# KiCad board 192_key.kicad_pcb (continued)
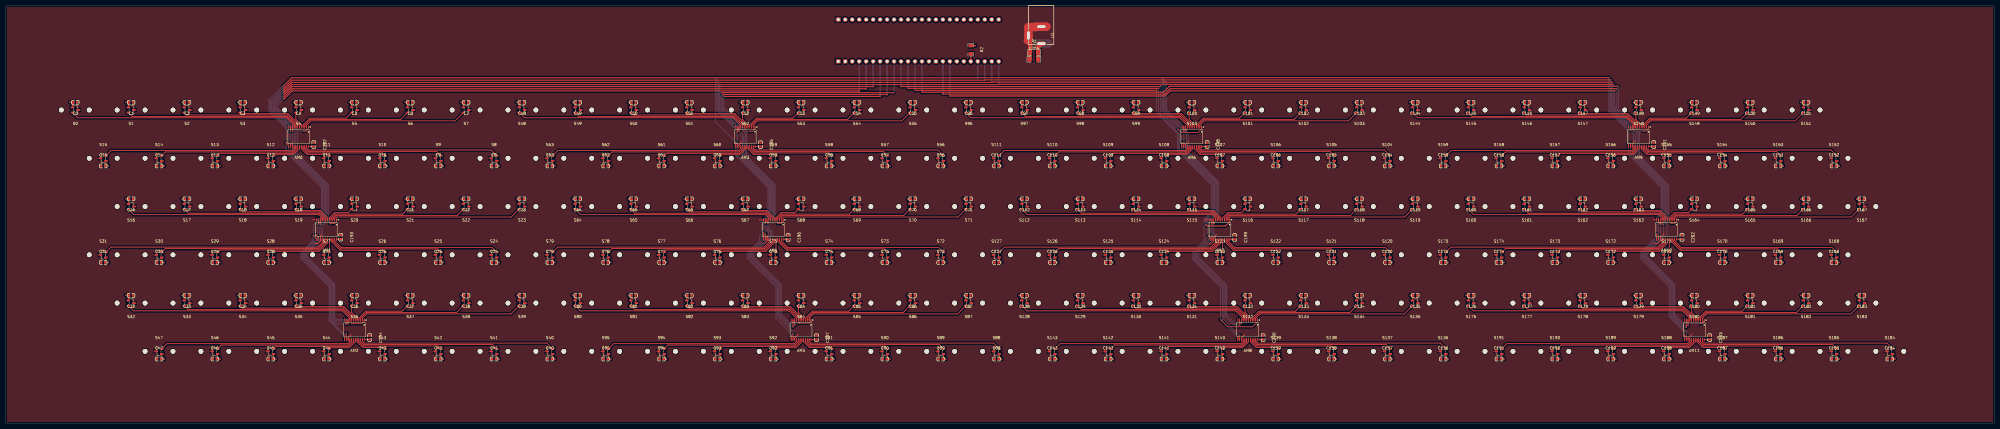
[diagram p0: board, top side]
## Placement (name value [footprint] x y rotation side) (continued)
S103  GH39FKSW  [SOT-23-3_L2.9-W1.3-P1.90-LS2.4-BR]  492.76 114.3 180 top
S104  GH39FKSW  [SOT-23-3_L2.9-W1.3-P1.90-LS2.4-BR]  502.92 96.7 0 top
S105  GH39FKSW  [SOT-23-3_L2.9-W1.3-P1.90-LS2.4-BR]  482.6 96.7 0 top
S106  GH39FKSW  [SOT-23-3_L2.9-W1.3-P1.90-LS2.4-BR]  462.28 96.7 0 top
S107  GH39FKSW  [SOT-23-3_L2.9-W1.3-P1.90-LS2.4-BR]  441.96 96.7 0 top
S108  GH39FKSW  [SOT-23-3_L2.9-W1.3-P1.90-LS2.4-BR]  421.64 96.7 0 top
S109  GH39FKSW  [SOT-23-3_L2.9-W1.3-P1.90-LS2.4-BR]  401.32 96.7 0 top
S110  GH39FKSW  [SOT-23-3_L2.9-W1.3-P1.90-LS2.4-BR]  381 96.7 0 top
S111  GH39FKSW  [SOT-23-3_L2.9-W1.3-P1.90-LS2.4-BR]  360.68 96.7 0 top
S112  GH39FKSW  [SOT-23-3_L2.9-W1.3-P1.90-LS2.4-BR]  370.84 79.1 180 top
S113  GH39FKSW  [SOT-23-3_L2.9-W1.3-P1.90-LS2.4-BR]  391.16 79.1 180 top
S114  GH39FKSW  [SOT-23-3_L2.9-W1.3-P1.90-LS2.4-BR]  411.48 79.1 180 top
S115  GH39FKSW  [SOT-23-3_L2.9-W1.3-P1.90-LS2.4-BR]  431.8 79.1 180 top
S116  GH39FKSW  [SOT-23-3_L2.9-W1.3-P1.90-LS2.4-BR]  452.12 79.1 180 top
S117  GH39FKSW  [SOT-23-3_L2.9-W1.3-P1.90-LS2.4-BR]  472.44 79.1 180 top
S118  GH39FKSW  [SOT-23-3_L2.9-W1.3-P1.90-LS2.4-BR]  492.76 79.1 180 top
S119  GH39FKSW  [SOT-23-3_L2.9-W1.3-P1.90-LS2.4-BR]  513.08 79.1 180 top
S120  GH39FKSW  [SOT-23-3_L2.9-W1.3-P1.90-LS2.4-BR]  502.92 61.51 0 top
S121  GH39FKSW  [SOT-23-3_L2.9-W1.3-P1.90-LS2.4-BR]  482.6 61.51 0 top
S122  GH39FKSW  [SOT-23-3_L2.9-W1.3-P1.90-LS2.4-BR]  462.28 61.51 0 top
S123  GH39FKSW  [SOT-23-3_L2.9-W1.3-P1.90-LS2.4-BR]  441.96 61.51 0 top
S124  GH39FKSW  [SOT-23-3_L2.9-W1.3-P1.90-LS2.4-BR]  421.64 61.51 0 top
S125  GH39FKSW  [SOT-23-3_L2.9-W1.3-P1.90-LS2.4-BR]  401.32 61.51 0 top
S126  GH39FKSW  [SOT-23-3_L2.9-W1.3-P1.90-LS2.4-BR]  381 61.51 0 top
S127  GH39FKSW  [SOT-23-3_L2.9-W1.3-P1.90-LS2.4-BR]  360.68 61.51 0 top
S128  GH39FKSW  [SOT-23-3_L2.9-W1.3-P1.90-LS2.4-BR]  370.84 43.91 180 top
S129  GH39FKSW  [SOT-23-3_L2.9-W1.3-P1.90-LS2.4-BR]  391.16 43.91 180 top
S130  GH39FKSW  [SOT-23-3_L2.9-W1.3-P1.90-LS2.4-BR]  411.48 43.91 180 top
S131  GH39FKSW  [SOT-23-3_L2.9-W1.3-P1.90-LS2.4-BR]  431.8 43.91 180 top
S132  GH39FKSW  [SOT-23-3_L2.9-W1.3-P1.90-LS2.4-BR]  452.12 43.91 180 top
S133  GH39FKSW  [SOT-23-3_L2.9-W1.3-P1.90-LS2.4-BR]  472.44 43.91 180 top
S134  GH39FKSW  [SOT-23-3_L2.9-W1.3-P1.90-LS2.4-BR]  492.76 43.91 180 top
S135  GH39FKSW  [SOT-23-3_L2.9-W1.3-P1.90-LS2.4-BR]  513.08 43.91 180 top
S136  GH39FKSW  [SOT-23-3_L2.9-W1.3-P1.90-LS2.4-BR]  523.24 26.31 0 top
S137  GH39FKSW  [SOT-23-3_L2.9-W1.3-P1.90-LS2.4-BR]  502.92 26.31 0 top
S138  GH39FKSW  [SOT-23-3_L2.9-W1.3-P1.90-LS2.4-BR]  482.6 26.31 0 top
S139  GH39FKSW  [SOT-23-3_L2.9-W1.3-P1.90-LS2.4-BR]  462.28 26.31 0 top
S140  GH39FKSW  [SOT-23-3_L2.9-W1.3-P1.90-LS2.4-BR]  441.96 26.31 0 top
S141  GH39FKSW  [SOT-23-3_L2.9-W1.3-P1.90-LS2.4-BR]  421.64 26.31 0 top
S142  GH39FKSW  [SOT-23-3_L2.9-W1.3-P1.90-LS2.4-BR]  401.32 26.31 0 top
S143  GH39FKSW  [SOT-23-3_L2.9-W1.3-P1.90-LS2.4-BR]  381 26.31 0 top
S144  GH39FKSW  [SOT-23-3_L2.9-W1.3-P1.90-LS2.4-BR]  513.08 114.3 180 top
S145  GH39FKSW  [SOT-23-3_L2.9-W1.3-P1.90-LS2.4-BR]  533.4 114.3 180 top
S146  GH39FKSW  [SOT-23-3_L2.9-W1.3-P1.90-LS2.4-BR]  553.72 114.3 180 top
S147  GH39FKSW  [SOT-23-3_L2.9-W1.3-P1.90-LS2.4-BR]  574.04 114.3 180 top
S148  GH39FKSW  [SOT-23-3_L2.9-W1.3-P1.90-LS2.4-BR]  594.36 114.3 180 top
S149  GH39FKSW  [SOT-23-3_L2.9-W1.3-P1.90-LS2.4-BR]  614.68 114.3 180 top
S150  GH39FKSW  [SOT-23-3_L2.9-W1.3-P1.90-LS2.4-BR]  635 114.3 180 top
S151  GH39FKSW  [SOT-23-3_L2.9-W1.3-P1.90-LS2.4-BR]  655.32 114.3 180 top
S152  GH39FKSW  [SOT-23-3_L2.9-W1.3-P1.90-LS2.4-BR]  665.48 96.7 0 top
S153  GH39FKSW  [SOT-23-3_L2.9-W1.3-P1.90-LS2.4-BR]  645.16 96.7 0 top
S154  GH39FKSW  [SOT-23-3_L2.9-W1.3-P1.90-LS2.4-BR]  624.84 96.7 0 top
S155  GH39FKSW  [SOT-23-3_L2.9-W1.3-P1.90-LS2.4-BR]  604.52 96.7 0 top
S156  GH39FKSW  [SOT-23-3_L2.9-W1.3-P1.90-LS2.4-BR]  584.2 96.7 0 top
S157  GH39FKSW  [SOT-23-3_L2.9-W1.3-P1.90-LS2.4-BR]  563.88 96.7 0 top
S158  GH39FKSW  [SOT-23-3_L2.9-W1.3-P1.90-LS2.4-BR]  543.56 96.7 0 top
S159  GH39FKSW  [SOT-23-3_L2.9-W1.3-P1.90-LS2.4-BR]  523.24 96.7 0 top
S160  GH39FKSW  [SOT-23-3_L2.9-W1.3-P1.90-LS2.4-BR]  533.4 79.1 180 top
S161  GH39FKSW  [SOT-23-3_L2.9-W1.3-P1.90-LS2.4-BR]  553.72 79.1 180 top
S162  GH39FKSW  [SOT-23-3_L2.9-W1.3-P1.90-LS2.4-BR]  574.04 79.1 180 top
S163  GH39FKSW  [SOT-23-3_L2.9-W1.3-P1.90-LS2.4-BR]  594.36 79.1 180 top
S164  GH39FKSW  [SOT-23-3_L2.9-W1.3-P1.90-LS2.4-BR]  614.68 79.1 180 top
S165  GH39FKSW  [SOT-23-3_L2.9-W1.3-P1.90-LS2.4-BR]  635 79.1 180 top
S166  GH39FKSW  [SOT-23-3_L2.9-W1.3-P1.90-LS2.4-BR]  655.32 79.1 180 top
S167  GH39FKSW  [SOT-23-3_L2.9-W1.3-P1.90-LS2.4-BR]  675.64 79.1 180 top
S168  GH39FKSW  [SOT-23-3_L2.9-W1.3-P1.90-LS2.4-BR]  665.48 61.51 0 top
S169  GH39FKSW  [SOT-23-3_L2.9-W1.3-P1.90-LS2.4-BR]  645.16 61.51 0 top
S170  GH39FKSW  [SOT-23-3_L2.9-W1.3-P1.90-LS2.4-BR]  624.84 61.51 0 top
S171  GH39FKSW  [SOT-23-3_L2.9-W1.3-P1.90-LS2.4-BR]  604.52 61.51 0 top
S172  GH39FKSW  [SOT-23-3_L2.9-W1.3-P1.90-LS2.4-BR]  584.2 61.51 0 top
S173  GH39FKSW  [SOT-23-3_L2.9-W1.3-P1.90-LS2.4-BR]  563.88 61.51 0 top
S174  GH39FKSW  [SOT-23-3_L2.9-W1.3-P1.90-LS2.4-BR]  543.56 61.51 0 top
S175  GH39FKSW  [SOT-23-3_L2.9-W1.3-P1.90-LS2.4-BR]  523.24 61.51 0 top
S176  GH39FKSW  [SOT-23-3_L2.9-W1.3-P1.90-LS2.4-BR]  533.4 43.91 180 top
S177  GH39FKSW  [SOT-23-3_L2.9-W1.3-P1.90-LS2.4-BR]  553.72 43.91 180 top
S178  GH39FKSW  [SOT-23-3_L2.9-W1.3-P1.90-LS2.4-BR]  574.04 43.91 180 top
S179  GH39FKSW  [SOT-23-3_L2.9-W1.3-P1.90-LS2.4-BR]  594.36 43.91 180 top
S180  GH39FKSW  [SOT-23-3_L2.9-W1.3-P1.90-LS2.4-BR]  614.68 43.91 180 top
S181  GH39FKSW  [SOT-23-3_L2.9-W1.3-P1.90-LS2.4-BR]  635 43.91 180 top
S182  GH39FKSW  [SOT-23-3_L2.9-W1.3-P1.90-LS2.4-BR]  655.32 43.91 180 top
S183  GH39FKSW  [SOT-23-3_L2.9-W1.3-P1.90-LS2.4-BR]  675.64 43.91 180 top
S184  GH39FKSW  [SOT-23-3_L2.9-W1.3-P1.90-LS2.4-BR]  685.8 26.31 0 top
S185  GH39FKSW  [SOT-23-3_L2.9-W1.3-P1.90-LS2.4-BR]  665.48 26.31 0 top
S186  GH39FKSW  [SOT-23-3_L2.9-W1.3-P1.90-LS2.4-BR]  645.16 26.31 0 top
S187  GH39FKSW  [SOT-23-3_L2.9-W1.3-P1.90-LS2.4-BR]  624.84 26.31 0 top
S188  GH39FKSW  [SOT-23-3_L2.9-W1.3-P1.90-LS2.4-BR]  604.52 26.31 0 top
S189  GH39FKSW  [SOT-23-3_L2.9-W1.3-P1.90-LS2.4-BR]  584.2 26.31 0 top
S190  GH39FKSW  [SOT-23-3_L2.9-W1.3-P1.90-LS2.4-BR]  563.88 26.31 0 top
S191  GH39FKSW  [SOT-23-3_L2.9-W1.3-P1.90-LS2.4-BR]  543.56 26.31 0 top
U1  XDJK-0051-025  [DC-IN-TH_XDJK-0051-025]  374.66 141.57 270 top

## Library data of the parts
AM0-AM11 = -: Datasheet: https://lcsc.com/product-detail/Analog-Switches_TI_CD74HC4067SM96_CD74HC4067SM96_C98457.html; LCSC Part: C98457
C0-C203 = -: Datasheet: https://lcsc.com/product-detail/Multilayer-Ceramic-Capacitors-MLCC-SMD-SMT_SAMSUNG_CL10B104KA8NNNC_100nF-104-10-25V_C1590.html; LCSC Part: C1590
C204 = -: Datasheet: https://lcsc.com/product-detail/Multilayer-Ceramic-Capacitors-MLCC-SMD-SMT_SAMSUNG_CL31A226KOHNNNE_22uF-226-10-16V_C90146.html; LCSC Part: C90146
J1 J2 = -: LCSC Part: C2883741
R1 R2 = -: Datasheet: https://lcsc.com/product-detail/Chip-Resistor-Surface-Mount-UniOhm_1KR-1001-1_C4410.html; LCSC Part: C4410
S0-S191 = -: Datasheet: https://lcsc.com/product-detail/Sensors_GoChip-Elec-Tech-Shanghai-GH39FKSW_C266230.html; LCSC Part: C266230
U1 = -: LCSC Part: C7498153

## Footprints (pads in the part's own frame, mm; a bottom-side part is the same pattern mirrored in y, then rotated)
C0603
  rect 0.8x0.9 smd: 1(-0.7,0) 2(0.7,0)
C1206
  rect 1.49x1.73 smd: 1(-1.59,0) 2(1.59,0)
DC-IN-TH_XDJK-0051-025
  oval 1.6x3.6 hole 1x3: 1(3.1,2.35) 2(-3.1,2.35)
  oval 3.6x1.6 hole 3x1: 3(0.1,-2.35)
HDR-TH_24P-P2.54-V-F
  rect 1.7x1.52 hole 1.1: 1(-29.21,0)
  round 1.7 hole 1.1: 2(-26.67,0) 3(-24.13,0) 4(-21.59,0) 5(-19.05,0) 6(-16.51,0) 7(-13.97,0) 8(-11.43,0) 9(-8.89,0) 10(-6.35,0) 11(-3.81,0) 12(-1.27,0) 13(1.27,0) 14(3.81,0) 15(6.35,0) 16(8.89,0) 17(11.43,0) 18(13.97,0) 19(16.51,0) 20(19.05,0) 21(21.59,0) 22(24.13,0) 23(26.67,0) 24(29.21,0)
R1206
  rect 1.21x1.7 smd: 1(-1.48,0) 2(1.48,0)
SOT-23-3_L2.9-W1.3-P1.90-LS2.4-BR
  rect 1.25x0.7 smd: 1(1,-0.95) 2(1,0.95) 3(-1,0)
SSOP-24_L8.1-W5.3-P0.65-LS7.8-BL
  oval 0.31x1.32 smd: 1(-3.58,-3.56) 2(-2.93,-3.56) 3(-2.28,-3.56) 4(-1.63,-3.56) 5(-0.98,-3.56) 6(-0.32,-3.56) 7(0.33,-3.56) 8(0.98,-3.56) 9(1.63,-3.56) 10(2.28,-3.56) 11(2.93,-3.56) 12(3.58,-3.56) 13(3.58,3.56) 14(2.93,3.56) 15(2.28,3.56) 16(1.63,3.56) 17(0.98,3.56) 18(0.33,3.56) 19(-0.32,3.56) 20(-0.98,3.56) 21(-1.63,3.56) 22(-2.28,3.56) 23(-2.93,3.56) 24(-3.58,3.56)
SW_MX_Lekker
  round 1.75 hole 1.75 unplated: (-5.08,0) (5.08,0)

## Nets
+3.3V: AM0.24 AM1.24 AM2.24 AM3.24 AM4.24 AM5.24 AM6.24 AM7.24 AM8.24 AM9.24 AM10.24 AM11.24 C0.2 C1.2 C2.2 C3.2 C4.2 C5.2 C6.2 C7.2 C8.2 C9.2 C10.2 C11.2 C12.2 C13.2 C14.2 C15.2 C16.2 C17.2 C18.2 C19.2 C20.2 C21.2 C22.2 C23.2 C24.2 C25.2 C26.2 C27.2 C28.2 C29.2 C30.2 C31.2 C32.2 C33.2 C34.2 C35.2 C36.2 C37.2 C38.2 C39.2 C40.2 C41.2 C42.2 C43.2 C44.2 C45.2 C46.2 C47.2 C48.2 C49.2 C50.2 C51.2 C52.2 C53.2 C54.2 C55.2 C56.2 C57.2 C58.2 C59.2 C60.2 C61.2 C62.2 C63.2 C64.2 C65.2 C66.2 C67.2 C68.2 C69.2 C70.2 C71.2 C72.2 C73.2 C74.2 C75.2 C76.2 C77.2 C78.2 C79.2 C80.2 C81.2 C82.2 C83.2 C84.2 C85.2 C86.2 C87.2 C88.2 C89.2 C90.2 C91.2 C92.2 C93.2 C94.2 C95.2 C96.2 C97.2 C98.2 C99.2 C100.2 C101.2 C102.2 C103.2 C104.2 C105.2 C106.2 C107.2 C108.2 C109.2 C110.2 C111.2 C112.2 C113.2 C114.2 C115.2 C116.2 C117.2 C118.2 C119.2 C120.2 C121.2 C122.2 C123.2 C124.2 C125.2 C126.2 C127.2 C128.2 C129.2 C130.2 C131.2 C132.2 C133.2 C134.2 C135.2 C136.2 C137.2 C138.2 C139.2 C140.2 C141.2 C142.2 C143.2 C144.2 C145.2 C146.2 C147.2 C148.2 C149.2 C150.2 C151.2 C152.2 C153.2 C154.2 C155.2 C156.2 C157.2 C158.2 C159.2 C160.2 C161.2 C162.2 C163.2 C164.2 C165.2 C166.2 C167.2 C168.2 C169.2 C170.2 C171.2 C172.2 C173.2 C174.2 C175.2 C176.2 C177.2 C178.2 C179.2 C180.2 C181.2 C182.2 C183.2 C184.2 C185.2 C186.2 C187.2 C188.2 C189.2 C190.2 C191.2 C192.2 C193.2 C194.2 C195.2 C196.2 C197.2 C198.2 C199.2 C200.2 C201.2 C202.2 C203.2 C204.2 R1.2 R2.1 S0.1 S1.1 S2.1 S3.1 S4.1 S5.1 S6.1 S7.1 S8.1 S9.1 S10.1 S11.1 S12.1 S13.1 S14.1 S15.1 S16.1 S17.1 S18.1 S19.1 S20.1 S21.1 S22.1 S23.1 S24.1 S25.1 S26.1 S27.1 S28.1 S29.1 S30.1 S31.1 S32.1 S33.1 S34.1 S35.1 S36.1 S37.1 S38.1 S39.1 S40.1 S41.1 S42.1 S43.1 S44.1 S45.1 S46.1 S47.1 S48.1 S49.1 S50.1 S51.1 S52.1 S53.1 S54.1 S55.1 S56.1 S57.1 S58.1 S59.1 S60.1 S61.1 S62.1 S63.1 S64.1 S65.1 S66.1 S67.1 S68.1 S69.1 S70.1 S71.1 S72.1 S73.1 S74.1 S75.1 S76.1 S77.1 S78.1 S79.1 S80.1 S81.1 S82.1 S83.1 S84.1 S85.1 S86.1 S87.1 S88.1 S89.1 S90.1 S91.1 S92.1 S93.1 S94.1 S95.1 S96.1 S97.1 S98.1 S99.1 S100.1 S101.1 S102.1 S103.1 S104.1 S105.1 S106.1 S107.1 S108.1 S109.1 S110.1 S111.1 S112.1 S113.1 S114.1 S115.1 S116.1 S117.1 S118.1 S119.1 S120.1 S121.1 S122.1 S123.1 S124.1 S125.1 S126.1 S127.1 S128.1 S129.1 S130.1 S131.1 S132.1 S133.1 S134.1 S135.1 S136.1 S137.1 S138.1 S139.1 S140.1 S141.1 S142.1 S143.1 S144.1 S145.1 S146.1 S147.1 S148.1 S149.1 S150.1 S151.1 S152.1 S153.1 S154.1 S155.1 S156.1 S157.1 S158.1 S159.1 S160.1 S161.1 S162.1 S163.1 S164.1 S165.1 S166.1 S167.1 S168.1 S169.1 S170.1 S171.1 S172.1 S173.1 S174.1 S175.1 S176.1 S177.1 S178.1 S179.1 S180.1 S181.1 S182.1 S183.1 S184.1 S185.1 S186.1 S187.1 S188.1 S189.1 S190.1 S191.1 U1.1
GND: AM0.12 AM0.15 AM1.12 AM1.15 AM2.12 AM2.15 AM3.12 AM3.15 AM4.12 AM4.15 AM5.12 AM5.15 AM6.12 AM6.15 AM7.12 AM7.15 AM8.12 AM8.15 AM9.12 AM9.15 AM10.12 AM10.15 AM11.12 AM11.15 C0.1 C1.1 C2.1 C3.1 C4.1 C5.1 C6.1 C7.1 C8.1 C9.1 C10.1 C11.1 C12.1 C13.1 C14.1 C15.1 C16.1 C17.1 C18.1 C19.1 C20.1 C21.1 C22.1 C23.1 C24.1 C25.1 C26.1 C27.1 C28.1 C29.1 C30.1 C31.1 C32.1 C33.1 C34.1 C35.1 C36.1 C37.1 C38.1 C39.1 C40.1 C41.1 C42.1 C43.1 C44.1 C45.1 C46.1 C47.1 C48.1 C49.1 C50.1 C51.1 C52.1 C53.1 C54.1 C55.1 C56.1 C57.1 C58.1 C59.1 C60.1 C61.1 C62.1 C63.1 C64.1 C65.1 C66.1 C67.1 C68.1 C69.1 C70.1 C71.1 C72.1 C73.1 C74.1 C75.1 C76.1 C77.1 C78.1 C79.1 C80.1 C81.1 C82.1 C83.1 C84.1 C85.1 C86.1 C87.1 C88.1 C89.1 C90.1 C91.1 C92.1 C93.1 C94.1 C95.1 C96.1 C97.1 C98.1 C99.1 C100.1 C101.1 C102.1 C103.1 C104.1 C105.1 C106.1 C107.1 C108.1 C109.1 C110.1 C111.1 C112.1 C113.1 C114.1 C115.1 C116.1 C117.1 C118.1 C119.1 C120.1 C121.1 C122.1 C123.1 C124.1 C125.1 C126.1 C127.1 C128.1 C129.1 C130.1 C131.1 C132.1 C133.1 C134.1 C135.1 C136.1 C137.1 C138.1 C139.1 C140.1 C141.1 C142.1 C143.1 C144.1 C145.1 C146.1 C147.1 C148.1 C149.1 C150.1 C151.1 C152.1 C153.1 C154.1 C155.1 C156.1 C157.1 C158.1 C159.1 C160.1 C161.1 C162.1 C163.1 C164.1 C165.1 C166.1 C167.1 C168.1 C169.1 C170.1 C171.1 C172.1 C173.1 C174.1 C175.1 C176.1 C177.1 C178.1 C179.1 C180.1 C181.1 C182.1 C183.1 C184.1 C185.1 C186.1 C187.1 C188.1 C189.1 C190.1 C191.1 C192.1 C193.1 C194.1 C195.1 C196.1 C197.1 C198.1 C199.1 C200.1 C201.1 C202.1 C203.1 C204.1 J1.1 J2.2 J2.15 R1.1 S0.3 S1.3 S2.3 S3.3 S4.3 S5.3 S6.3 S7.3 S8.3 S9.3 S10.3 S11.3 S12.3 S13.3 S14.3 S15.3 S16.3 S17.3 S18.3 S19.3 S20.3 S21.3 S22.3 S23.3 S24.3 S25.3 S26.3 S27.3 S28.3 S29.3 S30.3 S31.3 S32.3 S33.3 S34.3 S35.3 S36.3 S37.3 S38.3 S39.3 S40.3 S41.3 S42.3 S43.3 S44.3 S45.3 S46.3 S47.3 S48.3 S49.3 S50.3 S51.3 S52.3 S53.3 S54.3 S55.3 S56.3 S57.3 S58.3 S59.3 S60.3 S61.3 S62.3 S63.3 S64.3 S65.3 S66.3 S67.3 S68.3 S69.3 S70.3 S71.3 S72.3 S73.3 S74.3 S75.3 S76.3 S77.3 S78.3 S79.3 S80.3 S81.3 S82.3 S83.3 S84.3 S85.3 S86.3 S87.3 S88.3 S89.3 S90.3 S91.3 S92.3 S93.3 S94.3 S95.3 S96.3 S97.3 S98.3 S99.3 S100.3 S101.3 S102.3 S103.3 S104.3 S105.3 S106.3 S107.3 S108.3 S109.3 S110.3 S111.3 S112.3 S113.3 S114.3 S115.3 S116.3 S117.3 S118.3 S119.3 S120.3 S121.3 S122.3 S123.3 S124.3 S125.3 S126.3 S127.3 S128.3 S129.3 S130.3 S131.3 S132.3 S133.3 S134.3 S135.3 S136.3 S137.3 S138.3 S139.3 S140.3 S141.3 S142.3 S143.3 S144.3 S145.3 S146.3 S147.3 S148.3 S149.3 S150.3 S151.3 S152.3 S153.3 S154.3 S155.3 S156.3 S157.3 S158.3 S159.3 S160.3 S161.3 S162.3 S163.3 S164.3 S165.3 S166.3 S167.3 S168.3 S169.3 S170.3 S171.3 S172.3 S173.3 S174.3 S175.3 S176.3 S177.3 S178.3 S179.3 S180.3 S181.3 S182.3 S183.3 S184.3 S185.3 S186.3 S187.3 S188.3 S189.3 S190.3 S191.3 U1.2 U1.3
AM0: AM0.1 J2.4
AM0:0: AM0.9 S0.2
AM0:1: AM0.8 S1.2
AM0:2: AM0.7 S2.2
AM0:3: AM0.6 S3.2
AM0:4: AM0.5 S4.2
AM0:5: AM0.4 S5.2
AM0:6: AM0.3 S6.2
AM0:7: AM0.2 S7.2
AM0:8: AM0.23 S8.2
AM0:9: AM0.22 S9.2
AM0:10: AM0.21 S10.2
AM0:11: AM0.20 S11.2
AM0:12: AM0.19 S12.2
AM0:13: AM0.18 S13.2
AM0:14: AM0.17 S14.2
AM0:15: AM0.16 S15.2
AM1: AM1.1 J2.5
AM1:0: AM1.9 S16.2
AM1:1: AM1.8 S17.2
AM1:2: AM1.7 S18.2
AM1:3: AM1.6 S19.2
AM1:4: AM1.5 S20.2
AM1:5: AM1.4 S21.2
AM1:6: AM1.3 S22.2
AM1:7: AM1.2 S23.2
AM1:8: AM1.23 S24.2
AM1:9: AM1.22 S25.2
AM1:10: AM1.21 S26.2
AM1:11: AM1.20 S27.2
AM1:12: AM1.19 S28.2
AM1:13: AM1.18 S29.2
AM1:14: AM1.17 S30.2
AM1:15: AM1.16 S31.2
AM2: AM2.1 J2.6
AM2:0: AM2.9 S32.2
AM2:1: AM2.8 S33.2
AM2:2: AM2.7 S34.2
AM2:3: AM2.6 S35.2
AM2:4: AM2.5 S36.2
AM2:5: AM2.4 S37.2
AM2:6: AM2.3 S38.2
AM2:7: AM2.2 S39.2
AM2:8: AM2.23 S40.2
AM2:9: AM2.22 S41.2
AM2:10: AM2.21 S42.2
AM2:11: AM2.20 S43.2
AM2:12: AM2.19 S44.2
AM2:13: AM2.18 S45.2
AM2:14: AM2.17 S46.2
AM2:15: AM2.16 S47.2
AM3: AM3.1 J2.7
AM3:0: AM3.9 S48.2
AM3:1: AM3.8 S49.2
AM3:2: AM3.7 S50.2
AM3:3: AM3.6 S51.2
AM3:4: AM3.5 S52.2
AM3:5: AM3.4 S53.2
AM3:6: AM3.3 S54.2
AM3:7: AM3.2 S55.2
AM3:8: AM3.23 S56.2
AM3:9: AM3.22 S57.2
AM3:10: AM3.21 S58.2
AM3:11: AM3.20 S59.2
AM3:12: AM3.19 S60.2
AM3:13: AM3.18 S61.2
AM3:14: AM3.17 S62.2
AM3:15: AM3.16 S63.2
AM4: AM4.1 J2.8
AM4:0: AM4.9 S64.2
AM4:1: AM4.8 S65.2
AM4:2: AM4.7 S66.2
AM4:3: AM4.6 S67.2
AM4:4: AM4.5 S68.2
AM4:5: AM4.4 S69.2
AM4:6: AM4.3 S70.2
AM4:7: AM4.2 S71.2
AM4:8: AM4.23 S72.2
AM4:9: AM4.22 S73.2
AM4:10: AM4.21 S74.2
AM4:11: AM4.20 S75.2
AM4:12: AM4.19 S76.2
AM4:13: AM4.18 S77.2
AM4:14: AM4.17 S78.2
AM4:15: AM4.16 S79.2
AM5: AM5.1 J2.9
AM5:0: AM5.9 S80.2
AM5:1: AM5.8 S81.2
AM5:2: AM5.7 S82.2
AM5:3: AM5.6 S83.2
AM5:4: AM5.5 S84.2
AM5:5: AM5.4 S85.2
AM5:6: AM5.3 S86.2
AM5:7: AM5.2 S87.2
AM5:8: AM5.23 S88.2
AM5:9: AM5.22 S89.2
AM5:10: AM5.21 S90.2
AM5:11: AM5.20 S91.2
AM5:12: AM5.19 S92.2
AM5:13: AM5.18 S93.2
AM5:14: AM5.17 S94.2
AM5:15: AM5.16 S95.2
AM6: AM6.1 J2.10
AM6:0: AM6.9 S96.2
AM6:1: AM6.8 S97.2
AM6:2: AM6.7 S98.2
AM6:3: AM6.6 S99.2
AM6:4: AM6.5 S100.2
AM6:5: AM6.4 S101.2
AM6:6: AM6.3 S102.2
AM6:7: AM6.2 S103.2
AM6:8: AM6.23 S104.2
AM6:9: AM6.22 S105.2
AM6:10: AM6.21 S106.2
AM6:11: AM6.20 S107.2
AM6:12: AM6.19 S108.2
AM6:13: AM6.18 S109.2
AM6:14: AM6.17 S110.2
AM6:15: AM6.16 S111.2
AM7: AM7.1 J2.11
AM7:0: AM7.9 S112.2
AM7:1: AM7.8 S113.2
AM7:2: AM7.7 S114.2
AM7:3: AM7.6 S115.2
AM7:4: AM7.5 S116.2
AM7:5: AM7.4 S117.2
AM7:6: AM7.3 S118.2
AM7:7: AM7.2 S119.2
AM7:8: AM7.23 S120.2
AM7:9: AM7.22 S121.2
AM7:10: AM7.21 S122.2
AM7:11: AM7.20 S123.2
AM7:12: AM7.19 S124.2
AM7:13: AM7.18 S125.2
AM7:14: AM7.17 S126.2
AM7:15: AM7.16 S127.2
AM8: AM8.1 J2.12
AM8:0: AM8.9 S128.2
AM8:1: AM8.8 S129.2
AM8:2: AM8.7 S130.2
AM8:3: AM8.6 S131.2
AM8:4: AM8.5 S132.2
AM8:5: AM8.4 S133.2
AM8:6: AM8.3 S134.2
AM8:7: AM8.2 S135.2
AM8:8: AM8.23 S136.2
AM8:9: AM8.22 S137.2
AM8:10: AM8.21 S138.2
AM8:11: AM8.20 S139.2
AM8:12: AM8.19 S140.2
AM8:13: AM8.18 S141.2
AM8:14: AM8.17 S142.2
AM8:15: AM8.16 S143.2
AM9: AM9.1 J2.13
AM9:0: AM9.9 S144.2
AM9:1: AM9.8 S145.2
AM9:2: AM9.7 S146.2
AM9:3: AM9.6 S147.2
AM9:4: AM9.5 S148.2
AM9:5: AM9.4 S149.2
AM9:6: AM9.3 S150.2
AM9:7: AM9.2 S151.2
AM9:8: AM9.23 S152.2
AM9:9: AM9.22 S153.2
AM9:10: AM9.21 S154.2
AM9:11: AM9.20 S155.2
AM9:12: AM9.19 S156.2
AM9:13: AM9.18 S157.2
AM9:14: AM9.17 S158.2
AM9:15: AM9.16 S159.2
AM10: AM10.1 J2.16
AM10:0: AM10.9 S160.2
AM10:1: AM10.8 S161.2
AM10:2: AM10.7 S162.2
AM10:3: AM10.6 S163.2
AM10:4: AM10.5 S164.2
AM10:5: AM10.4 S165.2
AM10:6: AM10.3 S166.2
AM10:7: AM10.2 S167.2
AM10:8: AM10.23 S168.2
AM10:9: AM10.22 S169.2
AM10:10: AM10.21 S170.2
AM10:11: AM10.20 S171.2
AM10:12: AM10.19 S172.2
AM10:13: AM10.18 S173.2
AM10:14: AM10.17 S174.2
AM10:15: AM10.16 S175.2
AM11: AM11.1 J2.17
AM11:0: AM11.9 S176.2
AM11:1: AM11.8 S177.2
AM11:2: AM11.7 S178.2
AM11:3: AM11.6 S179.2
AM11:4: AM11.5 S180.2
AM11:5: AM11.4 S181.2
AM11:6: AM11.3 S182.2
AM11:7: AM11.2 S183.2
AM11:8: AM11.23 S184.2
AM11:9: AM11.22 S185.2
AM11:10: AM11.21 S186.2
AM11:11: AM11.20 S187.2
AM11:12: AM11.19 S188.2
AM11:13: AM11.18 S189.2
AM11:14: AM11.17 S190.2
AM11:15: AM11.16 S191.2
CONTROL0: AM0.10 AM1.10 AM2.10 AM3.10 AM4.10 AM5.10 AM6.10 AM7.10 AM8.10 AM9.10 AM10.10 AM11.10 J2.24
CONTROL1: AM0.11 AM1.11 AM2.11 AM3.11 AM4.11 AM5.11 AM6.11 AM7.11 AM8.11 AM9.11 AM10.11 AM11.11 J2.23
CONTROL2: AM0.14 AM1.14 AM2.14 AM3.14 AM4.14 AM5.14 AM6.14 AM7.14 AM8.14 AM9.14 AM10.14 AM11.14 J2.22
CONTROL3: AM0.13 AM1.13 AM2.13 AM3.13 AM4.13 AM5.13 AM6.13 AM7.13 AM8.13 AM9.13 AM10.13 AM11.13 J2.21
Net-(J2-37_CS): J2.20 R2.2

Pads without a net: J1 2 3 4 5 6 7 8 9 10 11 12 13 14 15 16 17 18 19 20 21 22 23 24; J2 1 3 14 18 19

## Via types
v1: diameter 0.6, hole 0.3, Top to Bottom, 109 vias
v2: diameter 0.61, hole 0.305, Top to Bottom, 200 vias

## Routing (per net, layer and track width the routed paths; a pad name or vN(x,y) marks a point on that pad's centre or on a via; arc(x,y) is an arc through that point)
+3.3V: length 631.5
  Top w0.305: S138.1 483.6,23.82 C138.2 484.41,23.52 v2(484.43,23.54) ; S120.1 503.92,59.01 C120.2 504.74,58.71 v2(504.75,58.72) ; S63.1 199.12,94.21 C63.2 199.93,93.91 v2(199.95,93.93) ; S1.1 44.72,116.79 C1.2 v2(43.89,117.09) ; S6.1 146.32,116.79 C6.2 v2(145.49,117.09) ; S78.1 219.44,59.01 C78.2 220.26,58.71 v2(220.27,58.72) ; S175.1 524.24,59.01 C175.2 525.06,58.71 v2(525.07,58.72) ; v2(240.59,93.93) 240.57,93.91 C61.2 239.76,94.21 S61.1 ; v2(490.93,117.09) C103.2 491.76,116.79 S103.1 ; v2(281.23,93.93) 281.21,93.91 C59.2 280.4,94.21 S59.1 ; v2(118.67,93.93) 118.65,93.91 C11.2 117.84,94.21 S11.1 ; C201.2 598.75,101.01 v2(598.73,100.99) 598.72,100.98 AM9.24 ; S151.1 654.32,116.79 C151.2 v2(653.49,117.09) ; v2(612.85,117.09) C149.2 613.68,116.79 S149.1 ; S82.1 247.92,46.4 C82.2 v2(247.09,46.7) ; v2(220.27,23.54) 220.25,23.52 C95.2 219.44,23.82 S95.1 ; S172.1 585.2,59.01 C172.2 586.02,58.71 v2(586.03,58.72) ; v2(653.49,81.89) 653.5,81.9 C166.2 654.32,81.6 S166.1 ; v2(525.07,93.93) 525.05,93.91 C159.2 524.24,94.21 S159.1 ; v2(328.37,117.09) C55.2 329.2,116.79 S55.1 ; v2(362.51,93.93) 362.49,93.91 C111.2 361.68,94.21 S111.1 ; S125.1 402.32,59.01 C125.2 403.14,58.71 v2(403.15,58.72) ; v2(484.43,93.93) 484.41,93.91 C105.2 483.6,94.21 S105.1 ; S116.1 451.12,81.6 C116.2 450.3,81.9 v2(450.29,81.89) ; v2(267.41,81.89) 267.42,81.9 C67.2 268.24,81.6 S67.1 ; S102.1 471.44,116.79 C102.2 v2(470.61,117.09) ; S28.1 97.52,59.01 C28.2 98.34,58.71 v2(98.35,58.72) ; S75.1 280.4,59.01 C75.2 281.22,58.71 v2(281.23,58.72) ; v2(572.21,81.89) 572.22,81.9 C162.2 573.04,81.6 S162.1 ; v2(531.52,46.75) 531.57,46.7 C176.2 532.4,46.4 S176.1 ; v2(240.59,23.54) 240.57,23.52 C94.2 239.76,23.82 S94.1 ; v2(118.67,58.72) 118.66,58.71 C27.2 117.84,59.01 S27.1 ; v2(43.84,46.75) 43.89,46.7 C32.2 44.72,46.4 S32.1 ; v2(104.85,117.04) 104.9,117.09 C4.2 105.68,116.79 S4.1 ; v2(545.39,93.93) 545.37,93.91 C158.2 544.56,94.21 S158.1 ; S178.1 573.04,46.4 C178.2 v2(572.21,46.7) ; S74.1 300.72,59.01 C74.2 301.54,58.71 v2(301.55,58.72) ; v2(470.61,81.89) 470.62,81.9 C117.2 471.44,81.6 S117.1 ; S106.1 463.28,94.21 C106.2 464.09,93.91 v2(464.11,93.93) ; AM2.24 131.36,30.59 v2(131.37,30.6) 131.42,30.65 C194.2 ; S171.1 605.52,59.01 C171.2 606.34,58.71 v2(606.35,58.72) ; S56.1 341.36,94.21 C56.2 342.17,93.91 v2(342.19,93.93) ; v2(667.31,58.72) 667.3,58.71 C168.2 666.48,59.01 S168.1 ; S79.1 199.12,59.01 C79.2 199.94,58.71 v2(199.95,58.72) ; S98.1 390.16,116.79 C98.2 v2(389.33,117.09) ; S184.1 686.8,23.82 C184.2 687.61,23.52 v2(687.63,23.54) ; S68.1 288.56,81.6 C68.2 287.74,81.9 v2(287.73,81.89) ; S136.1 524.24,23.82 C136.2 525.05,23.52 v2(525.07,23.54) ; S45.1 97.52,23.82 C45.2 98.33,23.52 v2(98.35,23.54) ; S107.1 442.96,94.21 C107.2 443.77,93.91 v2(443.79,93.93) ; v2(84.53,81.89) 84.54,81.9 C18.2 85.36,81.6 S18.1 ; S148.1 593.36,116.79 C148.2 592.58,117.09 v2(592.53,117.04) ; v2(443.79,23.54) 443.77,23.52 C140.2 442.96,23.82 S140.1 ; v2(186.13,46.7) C39.2 186.96,46.4 S39.1 ; C199.2 v1(446.28,67.16) 446.27,67.15 AM7.24 ; S49.1 207.28,116.79 C49.2 v2(206.45,117.09) ; v2(240.59,58.72) 240.58,58.71 C77.2 239.76,59.01 S77.1 ; v2(606.35,93.93) 606.33,93.91 C155.2 605.52,94.21 S155.1 ; S146.1 552.72,116.79 C146.2 v2(551.89,117.09) ; S24.1 178.8,59.01 C24.2 179.62,58.71 v2(179.63,58.72) ; S41.1 178.8,23.82 C41.2 179.61,23.52 v2(179.63,23.54) ; v2(626.67,23.54) 626.65,23.52 C187.2 625.84,23.82 S187.1 ; v2(450.29,117.09) C101.2 451.12,116.79 S101.1 ; S160.1 532.4,81.6 C160.2 531.58,81.9 v2(531.57,81.89) ; C197.2 293.93,30.6 v2(293.93,30.6) 293.92,30.59 AM5.24 ; v2(429.97,117.04) 430.02,117.09 C100.2 430.8,116.79 S100.1 ; v2(450.29,46.65) 450.34,46.7 C132.2 451.12,46.4 S132.1 ; S145.1 532.4,116.79 C145.2 v2(531.57,117.09) ; S64.1 207.28,81.6 C64.2 206.46,81.9 v2(206.45,81.89) ; S35.1 105.68,46.4 C35.2 v2(104.85,46.7) ; S80.1 207.28,46.4 C80.2 206.45,46.7 v2(206.4,46.75) ; S2.1 65.04,116.79 C2.2 v2(64.21,117.09) ; AM3.24 273.6,100.98 v2(273.61,100.99) C195.2 ; S72.1 341.36,59.01 C72.2 342.18,58.71 v2(342.19,58.72) ; S123.1 442.96,59.01 C123.2 443.78,58.71 v2(443.79,58.72) ; v2(673.81,81.89) 673.82,81.9 C167.2 674.64,81.6 S167.1 ; S119.1 512.08,81.6 C119.2 511.26,81.9 v2(511.25,81.89) ; S7.1 166.64,116.79 C7.2 v2(165.81,117.09) ; S124.1 422.64,59.01 C124.2 423.46,58.71 v2(423.47,58.72) ; v2(565.71,93.93) 565.69,93.91 C157.2 564.88,94.21 S157.1 ; S30.1 56.88,59.01 C30.2 57.7,58.71 v2(57.71,58.72) ; v2(369.01,117.09) C97.2 369.84,116.79 S97.1 ; S42.1 158.48,23.82 C42.2 159.29,23.52 v2(159.31,23.54) ; S73.1 321.04,59.01 C73.2 321.86,58.71 v2(321.87,58.72) ; v2(646.99,58.72) 646.98,58.71 C169.2 646.16,59.01 S169.1 ; v2(328.37,81.89) 328.38,81.9 C70.2 329.2,81.6 S70.1 ; S47.1 56.88,23.82 C47.2 57.69,23.52 v2(57.71,23.54) ; C198.2 436.19,101.01 v2(436.17,100.99) 436.16,100.98 AM6.24 ; v2(382.83,23.54) 382.81,23.52 C143.2 382,23.82 S143.1 ; S115.1 430.8,81.6 C115.2 429.98,81.9 v2(429.97,81.89) ; S9.1 158.48,94.21 C9.2 159.29,93.91 v2(159.31,93.93) ; C193.2 121.12,67.22 v1(121.06,67.16) 121.05,67.15 AM1.24 ; S137.1 503.92,23.82 C137.2 504.73,23.52 v2(504.75,23.54) ; v2(484.43,58.72) 484.42,58.71 C121.2 483.6,59.01 S121.1 ; S183.1 674.64,46.4 C183.2 v2(673.81,46.7) ; v2(592.53,81.89) 592.54,81.9 C163.2 593.36,81.6 S163.1 ; S19.1 105.68,81.6 C19.2 104.86,81.9 v2(104.85,81.89) ; v2(145.49,46.7) C37.2 146.32,46.4 S37.1 ; v2(565.71,58.72) 565.7,58.71 C173.2 564.88,59.01 S173.1 ; S23.1 186.96,81.6 C23.2 186.14,81.9 v2(186.13,81.89) ; C202.2 v1(608.94,67.16) 608.94,67.15 AM10.24 ; v2(612.85,81.89) 612.86,81.9 C164.2 613.68,81.6 S164.1 ; v2(281.23,23.54) 281.21,23.52 C92.2 280.4,23.82 S92.1 ; S180.1 613.68,46.4 C180.2 612.9,46.7 v2(612.85,46.65) ; v2(179.63,93.93) 179.61,93.91 C8.2 178.8,94.21 S8.1 ; S190.1 564.88,23.82 C190.2 565.69,23.52 v2(565.71,23.54) ; v2(226.77,46.7) C81.2 227.6,46.4 S81.1 ; v2(470.61,46.7) C133.2 471.44,46.4 S133.1 ; S26.1 138.16,59.01 C26.2 138.98,58.71 v2(138.99,58.72) ; S99.1 410.48,116.79 C99.2 v2(409.65,117.09) ; v2(511.25,46.7) C135.2 512.08,46.4 S135.1 ; v2(321.87,93.93) 321.85,93.91 C57.2 321.04,94.21 S57.1 ; v2(369.01,81.89) 369.02,81.9 C112.2 369.84,81.6 S112.1 ; S51.1 247.92,116.79 C51.2 v2(247.09,117.09) ; S31.1 36.56,59.01 C31.2 37.38,58.71 v2(37.39,58.72) ; v2(199.95,23.54) 199.93,23.52 C40.2 199.12,23.82 S40.1 ; v2(646.99,93.93) 646.97,93.91 C153.2 646.16,94.21 S153.1 ; S54.1 308.88,116.79 C54.2 v2(308.05,117.09) ; S46.1 77.2,23.82 C46.2 78.01,23.52 v2(78.03,23.54) ; v2(125.17,46.65) 125.22,46.7 C36.2 126,46.4 S36.1 ; S58.1 300.72,94.21 C58.2 301.53,93.91 v2(301.55,93.93) ; S93.1 260.08,23.82 C93.2 260.89,23.52 v2(260.91,23.54) ; S76.1 260.08,59.01 C76.2 260.9,58.71 v2(260.91,58.72) ; S114.1 410.48,81.6 C114.2 409.66,81.9 v2(409.65,81.89) ; S29.1 77.2,59.01 C29.2 78.02,58.71 v2(78.03,58.72) ; S3.1 85.36,116.79 C3.2 v2(84.53,117.09) ; S156.1 585.2,94.21 C156.2 586.01,93.91 v2(586.03,93.93) ; v2(267.41,46.7) C83.2 268.24,46.4 S83.1 ; S185.1 666.48,23.82 C185.2 667.29,23.52 v2(667.31,23.54) ; v2(342.19,23.54) 342.17,23.52 C89.2 341.36,23.82 S89.1 ; v2(287.73,46.65) 287.78,46.7 C84.2 288.56,46.4 S84.1 ; v2(145.49,81.89) 145.5,81.9 C21.2 146.32,81.6 S21.1 ; S15.1 36.56,94.21 C15.2 37.37,93.91 v2(37.39,93.93) ; v2(186.08,117.14) 186.13,117.09 C48.2 186.96,116.79 S48.1 ; S52.1 268.24,116.79 C52.2 267.46,117.09 v2(267.41,117.04) ; S44.1 117.84,23.82 C44.2 118.65,23.52 v2(118.67,23.54) ; S118.1 491.76,81.6 C118.2 490.94,81.9 v2(490.93,81.89) ; v2(247.09,81.89) 247.1,81.9 C66.2 247.92,81.6 S66.1 ; v2(368.96,46.75) 369.01,46.7 C128.2 369.84,46.4 S128.1 ; S33.1 65.04,46.4 C33.2 v2(64.21,46.7) ; S113.1 390.16,81.6 C113.2 389.34,81.9 v2(389.33,81.89) ; S12.1 97.52,94.21 C12.2 98.33,93.91 v2(98.35,93.93) ; v2(348.69,46.7) C87.2 349.52,46.4 S87.1 ; S53.1 288.56,116.79 C53.2 v2(287.73,117.09) ; v2(572.21,117.09) C147.2 573.04,116.79 S147.1 ; C192.2 v2(111.05,100.99) 111.04,100.98 AM0.24 ; v2(511.2,117.14) 511.25,117.09 C144.2 512.08,116.79 S144.1 ; v2(403.15,23.54) 403.13,23.52 C142.2 402.32,23.82 S142.1 ; v2(328.37,46.7) C86.2 329.2,46.4 S86.1 ; v2(165.81,81.89) 165.82,81.9 C22.2 166.64,81.6 S22.1 ; S141.1 422.64,23.82 C141.2 423.45,23.52 v2(423.47,23.54) ; S126.1 382,59.01 C126.2 382.82,58.71 v2(382.83,58.72) ; AM8.24 456.48,30.59 v2(456.49,30.6) 456.49,30.6 C200.2 ; S50.1 227.6,116.79 C50.2 v2(226.77,117.09) ; v2(633.17,117.09) C150.2 634,116.79 S150.1 ; v2(260.91,93.93) 260.89,93.91 C60.2 260.08,94.21 S60.1 ; S16.1 44.72,81.6 C16.2 43.9,81.9 v2(43.89,81.89) ; v2(653.49,46.7) C182.2 654.32,46.4 S182.1 ; S165.1 634,81.6 C165.2 633.18,81.9 v2(633.17,81.89) ; v2(362.51,23.54) 362.49,23.52 C88.2 361.68,23.82 S88.1 ; S131.1 430.8,46.4 C131.2 v2(429.97,46.7) ; S152.1 666.48,94.21 C152.2 667.29,93.91 v2(667.31,93.93) ; S25.1 158.48,59.01 C25.2 159.3,58.71 v2(159.31,58.72) ; v2(301.55,23.54) 301.53,23.52 C91.2 300.72,23.82 S91.1 ; v2(490.93,46.7) C134.2 491.76,46.4 S134.1 ; S62.1 219.44,94.21 C62.2 220.25,93.91 v2(220.27,93.93) ; v2(57.71,93.93) 57.69,93.91 C14.2 56.88,94.21 S14.1 ; v2(84.53,46.7) C34.2 85.36,46.4 S34.1 ; v2(633.17,46.7) C181.2 634,46.4 S181.1 ; S0.1 24.4,116.79 C0.2 23.57,117.09 v2(23.52,117.14) ; v2(125.17,117.09) C5.2 126,116.79 S5.1 ; S122.1 463.28,59.01 C122.2 464.1,58.71 v2(464.11,58.72) ; S90.1 321.04,23.82 C90.2 321.85,23.52 v2(321.87,23.54) ; v2(545.39,58.72) 545.38,58.71 C174.2 544.56,59.01 S174.1 ; S127.1 361.68,59.01 C127.2 362.5,58.71 v2(362.51,58.72) ; v2(409.65,46.7) C130.2 410.48,46.4 S130.1 ; v2(504.75,93.93) 504.73,93.91 C104.2 503.92,94.21 S104.1 ; S188.1 605.52,23.82 C188.2 606.33,23.52 v2(606.35,23.54) ; v2(626.67,58.72) 626.66,58.71 C170.2 625.84,59.01 S170.1 ; v2(308.05,81.89) 308.06,81.9 C69.2 308.88,81.6 S69.1 ; S10.1 138.16,94.21 C10.2 138.97,93.91 v2(138.99,93.93) ; S191.1 544.56,23.82 C191.2 545.37,23.52 v2(545.39,23.54) ; v2(78.03,93.93) 78.01,93.91 C13.2 77.2,94.21 S13.1 ; AM4.24 283.71,67.15 v1(283.72,67.16) C196.2 ; S20.1 126,81.6 C20.2 125.18,81.9 v2(125.17,81.89) ; v2(646.99,23.54) 646.97,23.52 C186.2 646.16,23.82 S186.1 ; S85.1 308.88,46.4 C85.2 v2(308.05,46.7) ; v2(464.11,23.54) 464.09,23.52 C139.2 463.28,23.82 S139.1 ; S179.1 593.36,46.4 C179.2 v2(592.53,46.7) ; S110.1 382,94.21 C110.2 382.81,93.91 v2(382.83,93.93) ; v2(64.21,81.89) 64.22,81.9 C17.2 65.04,81.6 S17.1 ; C203.2 619.08,30.63 v2(619.05,30.6) 619.04,30.59 AM11.24 ; v2(551.89,46.7) C177.2 552.72,46.4 S177.1 ; S96.1 349.52,116.79 C96.2 348.69,117.09 v2(348.64,117.14) ; v2(348.69,81.89) 348.7,81.9 C71.2 349.52,81.6 S71.1 ; v2(423.47,93.93) 423.45,93.91 C108.2 422.64,94.21 S108.1 ; v2(626.67,93.93) 626.65,93.91 C154.2 625.84,94.21 S154.1 ; S109.1 402.32,94.21 C109.2 403.13,93.91 v2(403.15,93.93) ; S189.1 585.2,23.82 C189.2 586.01,23.52 v2(586.03,23.54) ; S161.1 552.72,81.6 C161.2 551.9,81.9 v2(551.89,81.89) ; v2(389.33,46.7) C129.2 390.16,46.4 S129.1 ; v2(138.99,23.54) 138.97,23.52 C43.2 138.16,23.82 S43.1 ; v2(165.81,46.7) C38.2 166.64,46.4 S38.1 ; S65.1 227.6,81.6 C65.2 226.78,81.9 v2(226.77,81.89)
  Top w0.381: R2.1 v1(352.98,137.77)
  Top w1.524: U1.1 375.82,137.28 R1.2 375.87,135.28 C204.2
  Bottom w3.048: 375.55,138.47 U1.1 379.47,138.47 379.53,138.53
